# KiCad board Sentinel 65X - Prototype 4.kicad_pcb
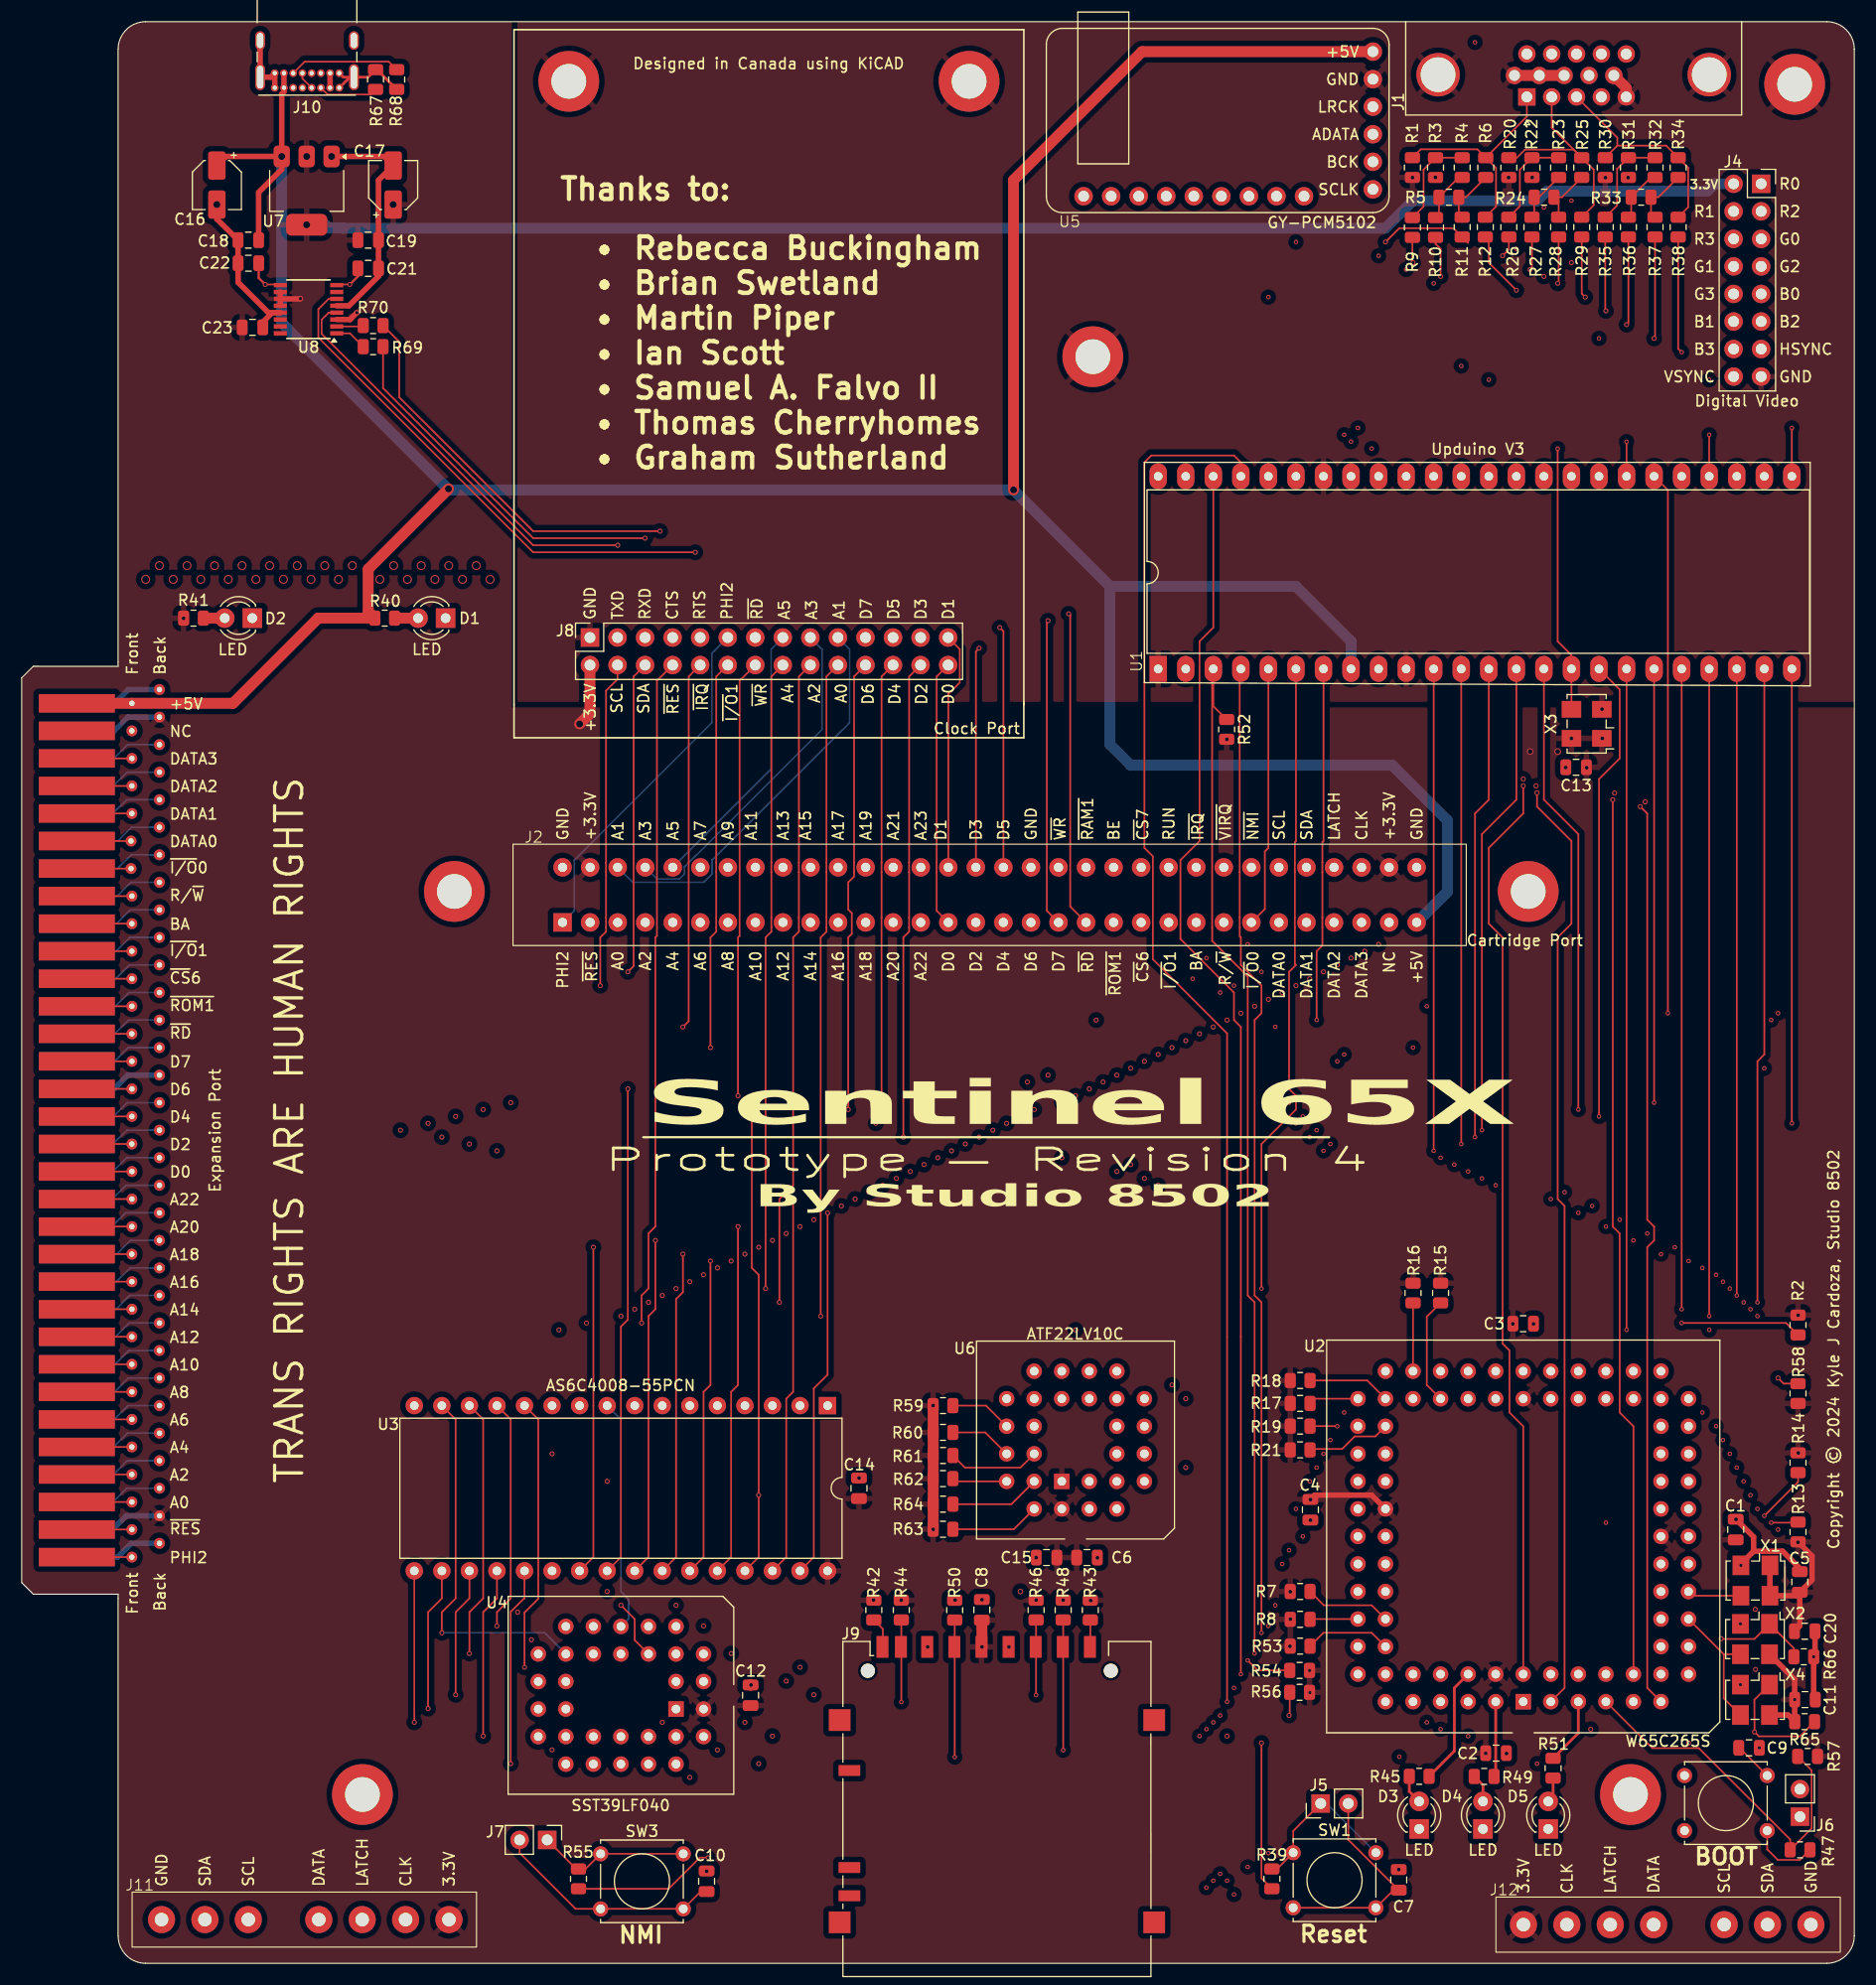
[diagram p0: board, top side]
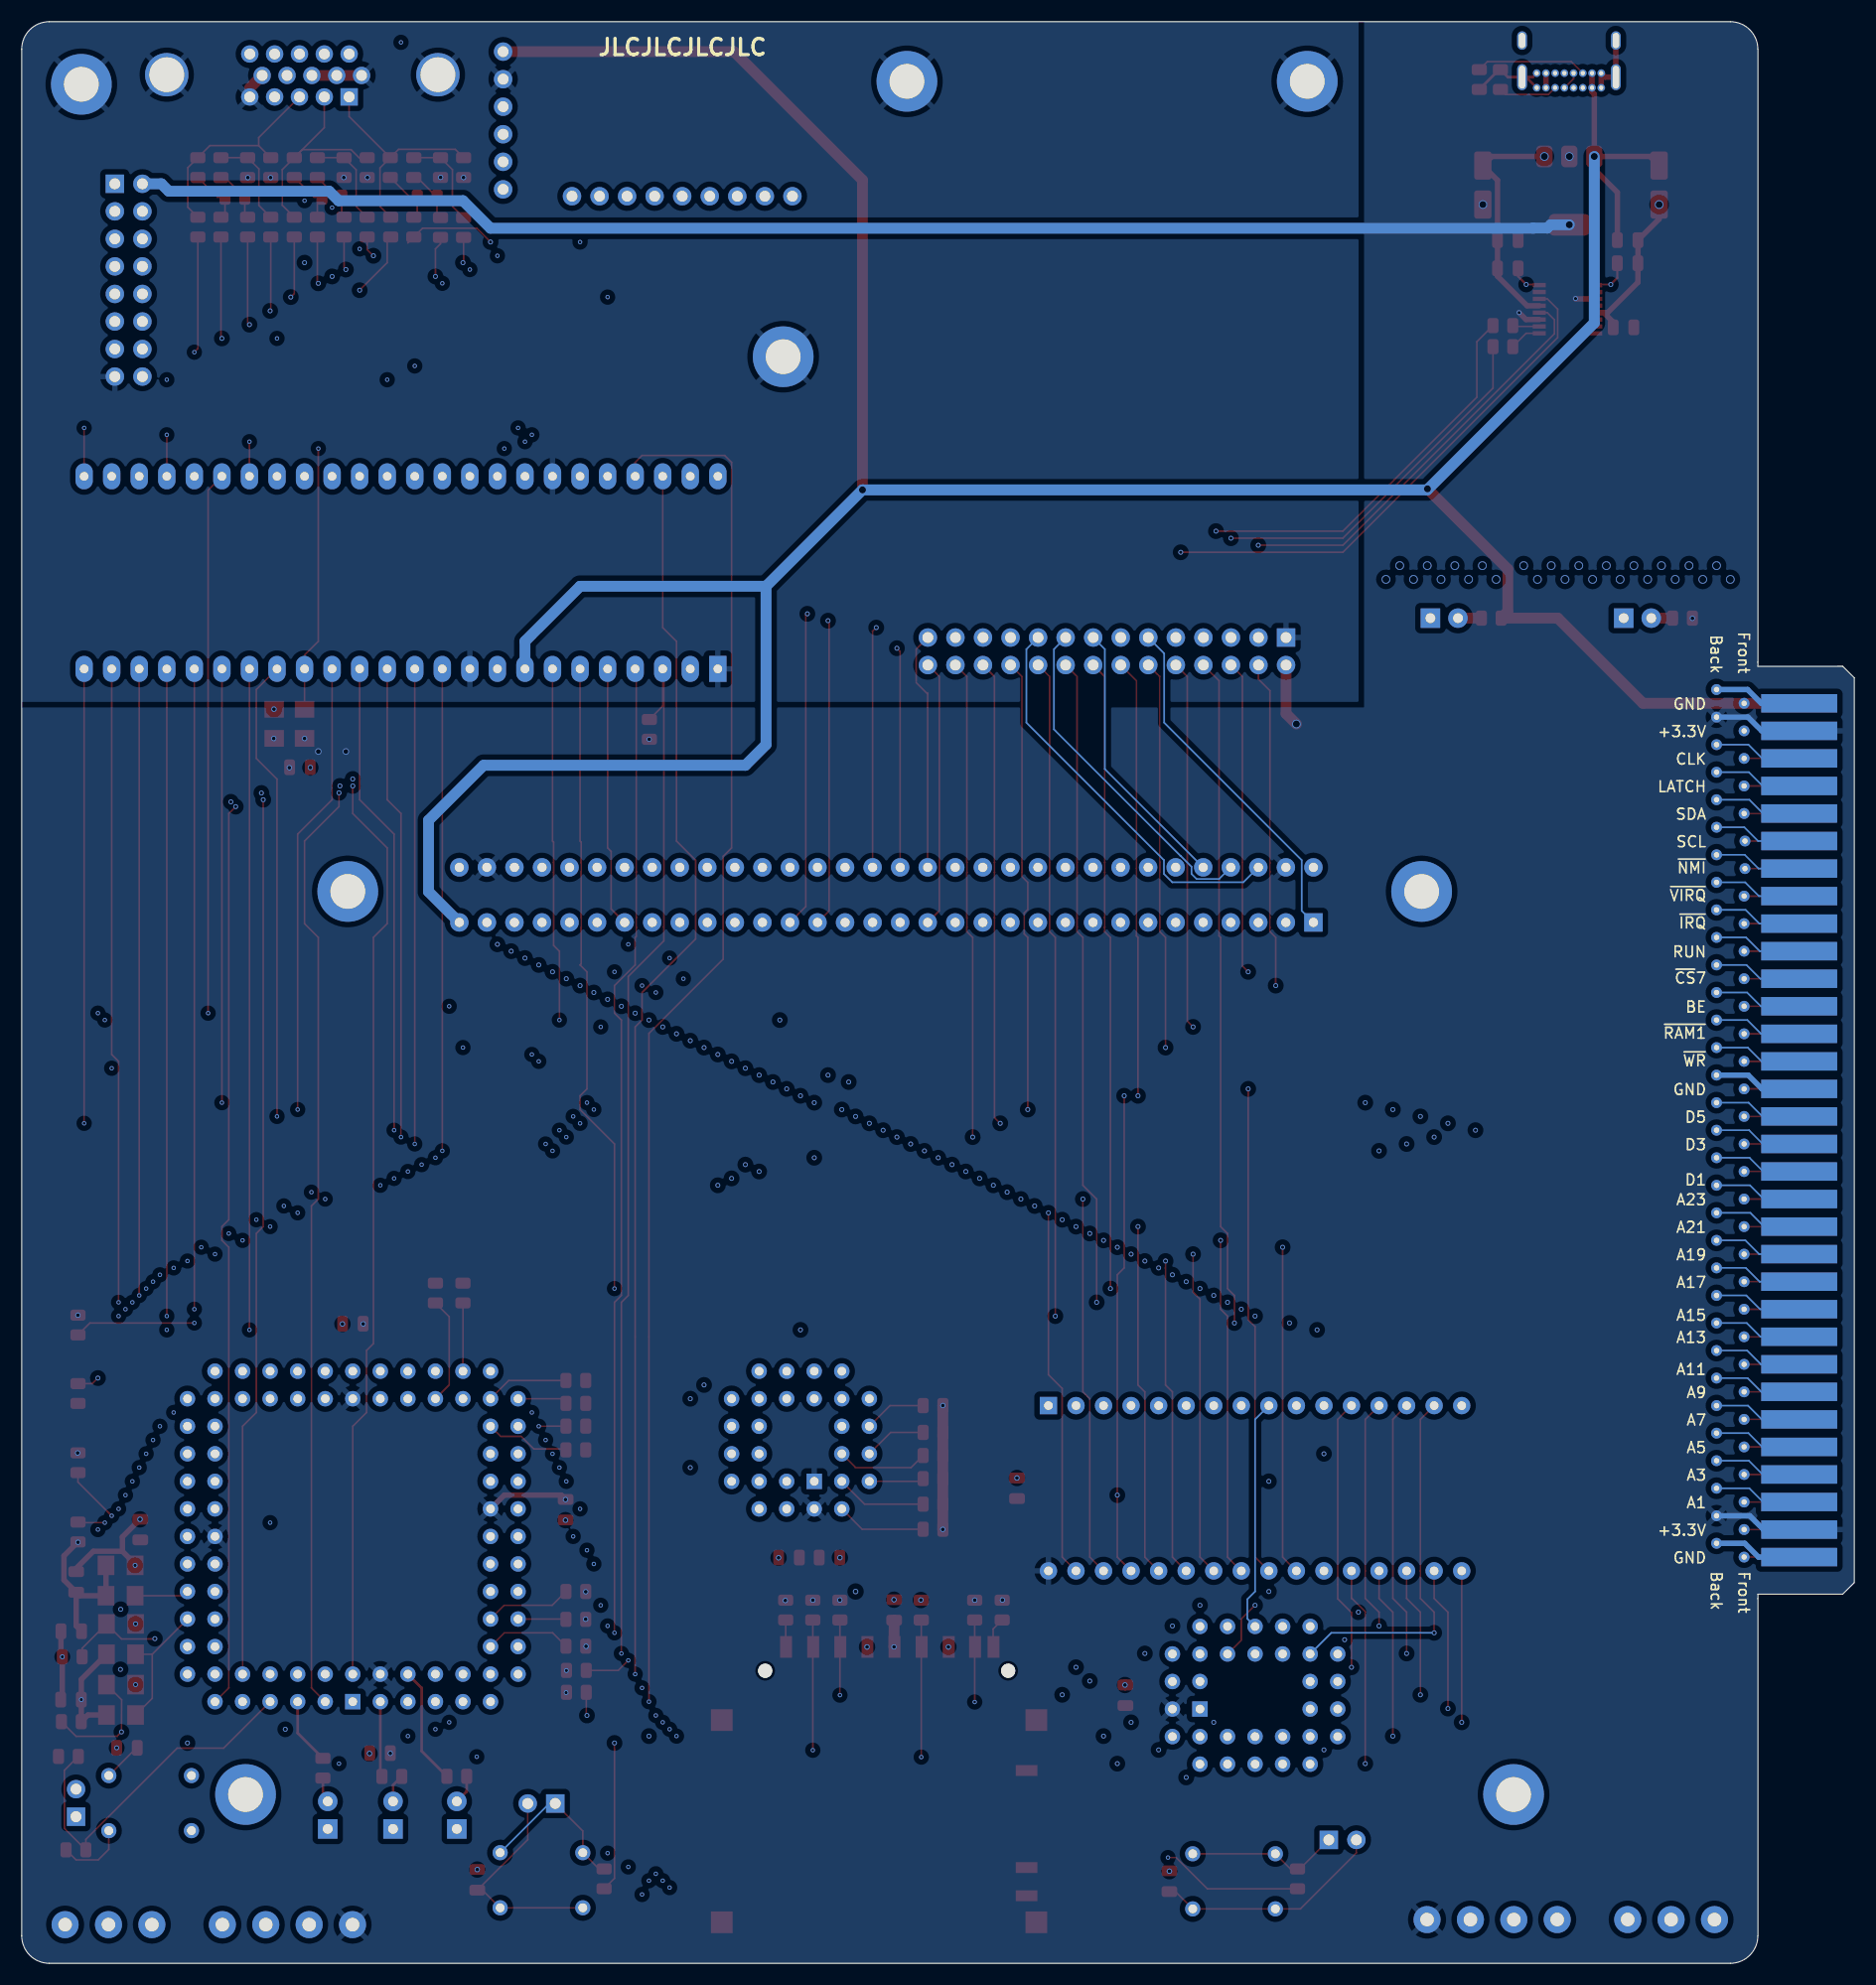
[diagram p1: board, bottom side, seen from below]

Outline 168.95 x 179.07 mm; copper layers: F.Cu (SMD), In1.Cu (GND) (plane), In2.Cu (N-S), In3.Cu. (E-W), In4.Cu (GND) (plane), B.Cu (MISC). Coordinates in mm from the lower left corner of the outline.
Outline path: 8.89,120.02 8.89,176.53 arc(9.63,178.33) 11.43,179.07 166.41,179.07 arc(168.21,178.33) 168.95,176.53 168.95,2.54 arc(168.21,0.74) 166.41,0 11.43,0 arc(9.63,0.74) 8.89,2.54 8.89,33.66
Stack: F.Cu (SMD) 0.035mm / dielectric 0.1mm FR4 er 4.5 / In1.Cu (GND) 0.035mm / dielectric 0.535mm FR4 er 4.5 / In2.Cu (N-S) 0.035mm / dielectric 0.1mm FR4 er 4.5 / In3.Cu. (E-W) 0.035mm / dielectric 0.535mm FR4 er 4.5 / In4.Cu (GND) 0.035mm / dielectric 0.1mm FR4 er 4.5 / B.Cu (MISC) 0.035mm

## Placement (name value [footprint] x y rotation side)
C1  100nF  [C_0805_2012Metric]  158.02 40 90 top
C2  100nF  [C_0805_2012Metric]  135.92 19.38 0 top
C3  100nF  [C_0805_2012Metric]  138.42 58.99 0 top
C4  100nF  [C_0805_2012Metric]  118.81 41.83 270 top
C5  100nF  [C_0805_2012Metric]  163.93 35.17 90 top
C6  100nF  [C_0805_2012Metric]  98.21 37.42 0 top
C7  100nF  [C_0805_2012Metric]  126.95 7.7 90 top
C8  4.7µF  [C_0805_2012Metric]  88.52 32.6 90 top
C9  100nF  [C_0805_2012Metric]  159.25 19.87 0 top
C10  100nF  [C_0805_2012Metric]  63.14 7.57 90 top
C11  100nF  [C_0805_2012Metric]  164.41 24.32 0 top
C12  100nF  [C_0805_2012Metric]  67.2 24.72 90 top
C13  100nF  [C_0805_2012Metric]  143.3 110.31 180 top
C14  100nF  [C_0805_2012Metric]  77.19 43.81 90 top
C15  100nF  [C_0805_2012Metric]  94.48 37.42 180 top
C16  10µF  [CP_Elec_4x5.4]  17.99 164 270 top
C17  10µF  [CP_Elec_4x5.4]  34.24 164 90 top
C18  100nF  [C_0805_2012Metric]  20.89 158.92 180 top
C19  100nF  [C_0805_2012Metric]  31.94 158.92 0 top
C20  100nF  [C_0805_2012Metric]  164.38 30.62 0 top
C21  47pF  [C_0805_2012Metric]  31.94 156.32 0 top
C22  47pF  [C_0805_2012Metric]  20.9 156.79 180 top
C23  100nF  [C_0805_2012Metric]  21.28 150.88 0 top
D1  LED  [LED_D3.0mm]  39.08 124.06 180 top
D2  LED  [LED_D3.0mm]  21.26 124.06 180 top
D3  LED  [LED_D3.0mm]  128.84 12.39 90 top
D4  LED  [LED_D3.0mm]  134.72 12.39 90 top
D5  LED  [LED_D3.0mm]  140.74 12.39 90 top
H1  MountingHole_Pad  [MountingHole_3.2mm_M3_DIN965_Pad]  98.75 148.17 0 top
H3  MountingHole_Pad  [MountingHole_3.2mm_M3_DIN965_Pad]  31.41 15.57 0 top
H4  MountingHole_Pad  [MountingHole_3.2mm_M3_DIN965_Pad]  39.89 98.86 0 top
H5  MountingHole_Pad  [MountingHole_3.2mm_M3_DIN965_Pad]  148.32 15.57 0 top
H6  MountingHole_Pad  [MountingHole_3.2mm_M3_DIN965_Pad]  50.44 173.57 0 top
H7  MountingHole_Pad  [MountingHole_3.2mm_M3_DIN965_Pad]  163.45 173.3 0 top
H8  MountingHole_Pad  [MountingHole_3.2mm_M3_DIN965_Pad]  138.89 98.86 0 top
H9  MountingHole_Pad  [MountingHole_3.2mm_M3_DIN965_Pad]  87.34 173.57 0 top
J1  SVGA Connector  [DSUB-15-HD_Female_Horizontal_P2.29x1.98mm_EdgePinOffset3.03mm_Housed_MountingHolesOffset4.94mm]  138.76 172.13 180 top
J2  2x32 2.54mm Card Edge Connector  [Conn_Edge_2x32p_THT_2.54mm_5.08mm]  89.11 98.54 0 top
J3  2x32 2.54mm Card Edge Connector  [Conn_Edge_2x32_THT_2.54mm_Male]  5.08 75.56 90 top
J4  Conn_02x08_Odd_Even  [PinSocket_2x08_P2.54mm_Vertical]  160.36 164.12 0 top
J5  Conn_01x02  [PinHeader_1x02_P2.54mm_Vertical]  119.76 14.74 90 top
J6  Conn_01x02  [PinHeader_1x02_P2.54mm_Vertical]  163.94 13.52 180 top
J7  Conn_01x02  [PinHeader_1x02_P2.54mm_Vertical]  48.45 11.38 270 top
J8  Conn_02x14_Odd_Even  [PinSocket_2x14_P2.54mm_Vertical]  52.39 122.27 90 top
J9  DM1AA-SF-PEJ(82)  [SD_Hirose_DM1AA_SF_PEJ82]  89.91 14.23 0 top
J10  USB_C_Receptacle_USB2.0_14P  [USB_C_Receptacle_GCT_USB4085]  29.28 172.98 180 top
J11  Controller 1  [SNES Controller Port (Female, 90º, THT)]  24.15 4.03 180 top
J12  Controller 1  [SNES Controller Port (Female, 90º, THT)]  153.69 3.57 0 top
R1  200Ω  [R_0805_2012Metric]  128.21 165.62 270 top
R2  10KΩ  [R_0805_2012Metric]  163.76 58.87 270 top
R3  800Ω  [R_0805_2012Metric]  130.34 165.62 90 top
R4  400Ω  [R_0805_2012Metric]  132.8 165.62 90 top
R5  400Ω  [R_0805_2012Metric]  131.57 162.88 180 top
R6  400Ω  [R_0805_2012Metric]  134.97 165.62 270 top
R7  10KΩ  [R_0805_2012Metric]  117.86 34.29 0 top
R8  10KΩ  [R_0805_2012Metric]  117.86 31.72 0 top
R9  800Ω  [R_0805_2012Metric]  128.21 160.09 270 top
R10  800Ω  [R_0805_2012Metric]  130.34 160.09 270 top
R11  800Ω  [R_0805_2012Metric]  132.8 160.12 270 top
R12  800Ω  [R_0805_2012Metric]  134.93 160.12 270 top
R13  10KΩ  [R_0805_2012Metric]  163.76 39.78 270 top
R14  10KΩ  [R_0805_2012Metric]  163.76 46.17 270 top
R15  10KΩ  [R_0805_2012Metric]  130.81 61.82 90 top
R16  10KΩ  [R_0805_2012Metric]  128.27 61.82 90 top
R17  10KΩ  [R_0805_2012Metric]  117.86 51.64 180 top
R18  10KΩ  [R_0805_2012Metric]  117.86 53.75 180 top
R19  10KΩ  [R_0805_2012Metric]  117.86 49.54 180 top
R20  200Ω  [R_0805_2012Metric]  137.1 165.62 270 top
R21  10KΩ  [R_0805_2012Metric]  117.86 47.35 180 top
R22  800Ω  [R_0805_2012Metric]  139.23 165.62 90 top
R23  400Ω  [R_0805_2012Metric]  141.69 165.62 90 top
R24  400Ω  [R_0805_2012Metric]  140.35 162.89 180 top
R25  400Ω  [R_0805_2012Metric]  143.82 165.62 270 top
R26  800Ω  [R_0805_2012Metric]  137.1 160.12 270 top
R27  800Ω  [R_0805_2012Metric]  139.23 160.12 270 top
R28  800Ω  [R_0805_2012Metric]  141.69 160.12 270 top
R29  800Ω  [R_0805_2012Metric]  143.82 160.12 270 top
R30  200Ω  [R_0805_2012Metric]  145.99 165.62 270 top
R31  800Ω  [R_0805_2012Metric]  148.12 165.62 90 top
R32  400Ω  [R_0805_2012Metric]  150.58 165.62 90 top
R33  400Ω  [R_0805_2012Metric]  149.3 162.89 180 top
R34  400Ω  [R_0805_2012Metric]  152.71 165.62 270 top
R35  800Ω  [R_0805_2012Metric]  145.99 160.12 270 top
R36  800Ω  [R_0805_2012Metric]  148.12 160.12 270 top
R37  800Ω  [R_0805_2012Metric]  150.58 160.12 270 top
R38  800Ω  [R_0805_2012Metric]  152.71 160.12 270 top
R39  1KΩ  [R_0805_2012Metric]  115.26 7.79 270 top
R40  2KΩ  [R_0805_2012Metric]  33.47 124.06 0 top
R41  1KΩ  [R_0805_2012Metric]  15.84 124.06 0 top
R42  47KΩ  [R_0805_2012Metric]  78.56 32.58 90 top
R43  47KΩ  [R_0805_2012Metric]  98.52 32.58 90 top
R44  47KΩ  [R_0805_2012Metric]  81.09 32.58 90 top
R45  1KΩ  [R_0805_2012Metric]  128.84 17.25 180 top
R46  47KΩ  [R_0805_2012Metric]  93.52 32.58 90 top
R47  1KΩ  [R_0805_2012Metric]  163.95 10.46 180 top
R48  47KΩ  [R_0805_2012Metric]  96.02 32.58 90 top
R49  1KΩ  [R_0805_2012Metric]  134.83 17.23 180 top
R50  47KΩ  [R_0805_2012Metric]  86.02 32.57 90 top
R51  1KΩ  [R_0805_2012Metric]  141.18 18 270 top
R52  10KΩ  [R_0805_2012Metric]  111.09 113.8 270 top
R53  10KΩ  [R_0805_2012Metric]  117.86 29.25 180 top
R54  10KΩ  [R_0805_2012Metric]  117.82 27.01 0 top
R55  1KΩ  [R_0805_2012Metric]  51.33 7.79 270 top
R56  10KΩ  [R_0805_2012Metric]  117.82 24.99 0 top
R57  10KΩ  [R_0805_2012Metric]  164.65 19.08 0 top
R58  10KΩ  [R_0805_2012Metric]  163.76 52.55 270 top
R59  10KΩ  [R_0805_2012Metric]  84.94 51.44 180 top
R60  10KΩ  [R_0805_2012Metric]  84.94 48.96 180 top
R61  10KΩ  [R_0805_2012Metric]  84.94 46.83 180 top
R62  10KΩ  [R_0805_2012Metric]  84.94 44.7 180 top
R63  10KΩ  [R_0805_2012Metric]  84.94 40.03 180 top
R64  10KΩ  [R_0805_2012Metric]  84.94 42.35 180 top
R65  10KΩ  [R_0805_2012Metric]  164.38 22.29 180 top
R66  10KΩ  [R_0805_2012Metric]  164.3 28.27 0 top
R67  5.1KΩ  [R_0805_2012Metric]  32.62 173.73 90 top
R68  5.1KΩ  [R_0805_2012Metric]  34.57 173.73 270 top
R69  270Ω  [R_0805_2012Metric]  32.4 149.1 0 top
R70  270Ω  [R_0805_2012Metric]  32.4 151.04 0 top
SW1  SW_Push  [SW_Tactile_Straight_KSA0Axx1LFTR]  117.22 10.2 0 top
SW2  SW_Push  [SW_Tactile_Straight_KSA0Axx1LFTR]  160.92 12.24 180 top
SW3  SW_Push  [SW_Tactile_Straight_KSA0Axx1LFTR]  53.37 10.1 0 top
U1  Upduino_VERA  [DIP-48_W17.76mm_Socket_LongPads]  104.77 119.38 90 top
U2  W65C265S8PLG-8  [PLCC-84_THT-Socket]  138.43 24.13 180 top
U3  AS6C4008-55PCN  [DIP-32_W15.24mm]  74.3 51.44 270 top
U4  SST39LF040-55-4C-NHE-T  [PLCC-32_THT-Socket]  60.33 23.45 270 top
U5  -  [GY-PCM5102]  122.33 157.5 180 top
U6  ATF22LV10C-10JU  [PLCC-28_THT-Socket]  95.89 44.45 180 top
U7  NCP1117-3.3_SOT223  [SOT-223-3_TabPin2]  26.27 163.49 270 top
U8  FT230XS  [SSOP-16_3.9x4.9mm_P0.635mm]  26.44 152.55 180 top
X1  ECS-327MVATX-5-CN-TR  [Oscillator_SMD_EuroQuartz_XO53-4Pin_5.0x3.2mm_HandSoldering]  159.84 35.3 180 top
X2  KC5032K8.00000C1GE00  [Oscillator_SMD_EuroQuartz_XO53-4Pin_5.0x3.2mm_HandSoldering]  159.79 29.9 180 top
X3  ECS-3963-250-BN-TR  [Oscillator_SMD_EuroQuartz_XO53-4Pin_5.0x3.2mm_HandSoldering]  144.27 114.31 90 top
X4  ECS-5032MV-40-CN-TR  [Oscillator_SMD_EuroQuartz_XO53-4Pin_5.0x3.2mm_HandSoldering]  159.79 24.3 180 top

## Library data of the parts
C1-C15 C18-C20 = -: ki_fp_filters: C_*
C16 C17 = -: Description: Polarized capacitor; ki_fp_filters: CP_*
C21-C23 = -: Description: Unpolarized capacitor; ki_fp_filters: C_*
D1-D5 = -: ki_fp_filters: LED* LED_SMD:* LED_THT:*
H1 H3-H9 = -: ki_fp_filters: MountingHole*Pad*
J1 = -: ki_fp_filters: DSUB*Female*
J2-J4 J8 = -: ki_fp_filters: Connector*:*_2x??_*
J5-J7 J11 J12 = -: ki_fp_filters: Connector*:*_1x??_*
J9 = -: Datasheet: http://portal.fciconnect.com/Comergent//fci/drawing/10067847.pdf; ki_fp_filters: SD*
J10 = -: Datasheet: https://www.usb.org/sites/default/files/documents/usb_type-c.zip; Description: USB 2.0-only 14P Type-C Receptacle connector; ki_fp_filters: USB*C*Receptacle*
R1-R68 = -: ki_fp_filters: R_*
R69 R70 = -: Description: Resistor; ki_fp_filters: R_*
U2 = -: Datasheet: https://www.westerndesigncenter.com/wdc/documentation/w65c265s.pdf
U3 = -: Datasheet: https://www.alliancememory.com/wp-content/uploads/pdf/AS6C4008.pdf; ki_fp_filters: DIP*W15.24mm*
U4 = -: Datasheet: https://ww1.microchip.com/downloads/aemDocuments/documents/OTH/ProductDocuments/DataSheets/20005023B.pdf
U6 = -: Datasheet: https://ww1.microchip.com/downloads/en/DeviceDoc/doc0780.pdf
U7 = -: Datasheet: http://www.onsemi.com/pub_link/Collateral/NCP1117-D.PDF; Description: 1A Low drop-out regulator, Fixed Output 3.3V, SOT-223; ki_fp_filters: SOT?223*TabPin2*
U8 = -: Datasheet: https://www.ftdichip.com/Support/Documents/DataSheets/ICs/DS_FT230X.pdf; Description: Full Speed USB to Basic UART, SSOP-16; ki_fp_filters: SSOP*3.9x4.9*P0.635mm*
X1-X4 = -: Datasheet: http://cdn-reichelt.de/documents/datenblatt/B400/XO53.pdf; ki_fp_filters: Oscillator*SMD*EuroQuartz*XO53*5.0x3.2mm*

## Footprints (pads in the part's own frame, mm; a bottom-side part is the same pattern mirrored in y, then rotated)
C_0805_2012Metric
  rrect 1x1.45 smd: 1(-0.95,0) 2(0.95,0)
Conn_Edge_2x32_THT_2.54mm_Male
  rect 1.7x7 smd far side: a1(-38.1,0) a2(-35.56,0) a3(-33.02,0) a4(-30.48,0) a5(-27.94,0) a6(-25.4,0) a7(-22.86,0) a8(-20.32,0) a9(-17.78,0) a10(-15.24,0) a11(-12.7,0) a12(-10.16,0) a13(-7.62,0) a14(-5.08,0) a15(-2.54,0) a16(0,0) a17(2.54,0) a18(5.08,0) a19(7.62,0) a20(10.16,0) a21(12.7,0) a22(15.24,0) a23(17.78,0) a24(20.32,0) a25(22.86,0) a26(25.4,0) a27(27.94,0) a28(30.48,0) a29(33.02,0) a30(35.56,0) a31(38.1,0) a32(40.64,0)
  round 1 hole 0.5: a1(-36.83,-7.62) a2(-34.29,-7.62) a3(-31.75,-7.62) a4(-29.21,-7.62) a5(-26.67,-7.62) a6(-24.13,-7.62) a7(-21.59,-7.62) a8(-19.05,-7.62) a9(-16.51,-7.62) a10(-13.97,-7.62) a11(-11.43,-7.62) a12(-8.89,-7.62) a13(-6.35,-7.62) a14(-3.81,-7.62) a15(-1.27,-7.62) a16(1.27,-7.62) a17(3.81,-7.62) a18(6.35,-7.62) a19(8.89,-7.62) a20(11.43,-7.62) a21(13.97,-7.62) a22(16.51,-7.62) a23(19.05,-7.62) a24(21.59,-7.62) a25(24.13,-7.62) a26(26.67,-7.62) a27(29.21,-7.62) a28(31.75,-7.62) a29(34.29,-7.62) a30(36.83,-7.62) a31(39.37,-7.62) a32(41.91,-7.62) b1(-38.1,-5.08) b2(-35.56,-5.08) b3(-33.02,-5.08) b4(-30.48,-5.08) b5(-27.94,-5.08) b6(-25.4,-5.08) b7(-22.86,-5.08) b8(-20.32,-5.08) b9(-17.78,-5.08) b10(-15.24,-5.08) b11(-12.7,-5.08) b12(-10.16,-5.08) b13(-7.62,-5.08) b14(-5.08,-5.08) b15(-2.54,-5.08) b16(0,-5.08) b17(2.54,-5.08) b18(5.08,-5.08) b19(7.62,-5.08) b20(10.16,-5.08) b21(12.7,-5.08) b22(15.24,-5.08) b23(17.78,-5.08) b24(20.32,-5.08) b25(22.86,-5.08) b26(25.4,-5) b27(27.94,-5) b28(30.48,-5.08) b29(33.02,-5.08) b30(35.56,-5.08) b31(38.1,-5.08) b32(40.64,-5.08)
  rect 1.7x7 smd: b1(-38.1,0) b2(-35.56,0) b3(-33.02,0) b4(-30.48,0) b5(-27.94,0) b6(-25.4,0) b7(-22.86,0) b8(-20.32,0) b9(-17.78,0) b10(-15.24,0) b11(-12.7,0) b12(-10.16,0) b13(-7.62,0) b14(-5.08,0) b15(-2.54,0) b16(0,0) b17(2.54,0) b18(5.08,0) b19(7.62,0) b20(10.16,0) b21(12.7,0) b22(15.24,0) b23(17.78,0) b24(20.32,0) b25(22.86,0) b26(25.4,0) b27(27.94,0) b28(30.48,0) b29(33.02,0) b30(35.56,0) b31(38.1,0) b32(40.64,0)
Conn_Edge_2x32p_THT_2.54mm_5.08mm
  round 1.7 hole 0.85: a1(-39.245,2.54) a2(-36.705,2.54) a3(-34.165,2.54) a4(-31.625,2.54) a5(-29.085,2.54) a6(-26.545,2.54) a7(-24.005,2.54) a8(-21.465,2.54) a9(-18.925,2.54) a10(-16.385,2.54) a11(-13.845,2.54) a12(-11.305,2.54) a13(-8.765,2.54) a14(-6.225,2.54) a15(-3.685,2.54) a16(-1.145,2.54) a17(1.395,2.54) a18(3.935,2.54) a19(6.475,2.54) a20(9.015,2.54) a21(11.555,2.54) a22(14.095,2.54) a23(16.635,2.54) a24(19.175,2.54) a25(21.715,2.54) a26(24.255,2.54) a27(26.795,2.54) a28(29.335,2.54) a29(31.875,2.54) a30(34.415,2.54) a31(36.955,2.54) a32(39.495,2.54) b2(-36.705,-2.54) b3(-34.165,-2.54) b4(-31.625,-2.54) b5(-29.085,-2.54) b6(-26.545,-2.54) b7(-24.005,-2.54) b8(-21.465,-2.54) b9(-18.925,-2.54) b10(-16.385,-2.54) b11(-13.845,-2.54) b12(-11.305,-2.54) b13(-8.765,-2.54) b14(-6.225,-2.54) b15(-3.685,-2.54) b16(-1.145,-2.54) b17(1.395,-2.54) b18(3.935,-2.54) b19(6.475,-2.54) b20(9.015,-2.54) b21(11.555,-2.54) b22(14.095,-2.54) b23(16.635,-2.54) b24(19.175,-2.54) b25(21.715,-2.54) b26(24.255,-2.54) b27(26.795,-2.54) b28(29.335,-2.54) b29(31.875,-2.54) b30(34.415,-2.54) b31(36.955,-2.54) b32(39.495,-2.54)
  rect 1.7x1.7 hole 0.85: b1(-39.245,-2.54)
CP_Elec_4x5.4
  rrect 2.6x1.6 smd: 1(-1.8,0) 2(1.8,0)
DIP-32_W15.24mm
  rect 1.6x1.6 hole 0.8: 1(0,0)
  oval 1.6x1.6 hole 0.8: 2(0,-2.54) 3(0,-5.08) 4(0,-7.62) 5(0,-10.16) 6(0,-12.7) 7(0,-15.24) 8(0,-17.78) 9(0,-20.32) 10(0,-22.86) 11(0,-25.4) 12(0,-27.94) 13(0,-30.48) 14(0,-33.02) 15(0,-35.56) 16(0,-38.1) 17(15.24,-38.1) 18(15.24,-35.56) 19(15.24,-33.02) 20(15.24,-30.48) 21(15.24,-27.94) 22(15.24,-25.4) 23(15.24,-22.86) 24(15.24,-20.32) 25(15.24,-17.78) 26(15.24,-15.24) 27(15.24,-12.7) 28(15.24,-10.16) 29(15.24,-7.62) 30(15.24,-5.08) 31(15.24,-2.54) 32(15.24,0)
DIP-48_W17.76mm_Socket_LongPads
  rect 2.4x1.6 hole 0.8: 1(0,0)
  oval 2.4x1.6 hole 0.8: 2(0,-2.54) 3(0,-5.08) 4(0,-7.62) 5(0,-10.16) 6(0,-12.7) 7(0,-15.24) 8(0,-17.78) 9(0,-20.32) 10(0,-22.86) 11(0,-25.4) 12(0,-27.94) 13(0,-30.48) 14(0,-33.02) 15(0,-35.56) 16(0,-38.1) 17(0,-40.64) 18(0,-43.18) 19(0,-45.72) 20(0,-48.26) 21(0,-50.8) 22(0,-53.34) 23(0,-55.88) 24(0,-58.42) 25(17.76,-58.42) 26(17.76,-55.88) 27(17.76,-53.34) 28(17.76,-50.8) 29(17.76,-48.26) 30(17.76,-45.72) 31(17.76,-43.18) 32(17.76,-40.64) 33(17.76,-38.1) 34(17.76,-35.56) 35(17.76,-33.02) 36(17.76,-30.48) 37(17.76,-27.94) 38(17.76,-25.4) 39(17.76,-22.86) 40(17.76,-20.32) 41(17.76,-17.78) 42(17.76,-15.24) 43(17.76,-12.7) 44(17.76,-10.16) 45(17.76,-7.62) 46(17.76,-5.08) 47(17.76,-2.54) 48(17.76,0)
DSUB-15-HD_Female_Horizontal_P2.29x1.98mm_EdgePinOffset3.03mm_Housed_MountingHolesOffset4.94mm
  round 4 hole 3.2: 0(-16.815,-2.05) 0(8.185,-2.05)
  rect 1.6x1.6 hole 1: 1(0,0)
  round 1.6 hole 1: 2(-2.29,0) 3(-4.58,0) 4(-6.87,0) 5(-9.16,0) 6(1.145,-1.98) 7(-1.145,-1.98) 8(-3.435,-1.98) 9(-5.725,-1.98) 10(-8.015,-1.98) 11(0,-3.96) 12(-2.29,-3.96) 13(-4.58,-3.96) 14(-6.87,-3.96) 15(-9.16,-3.96)
GY-PCM5102
  round 1.7 hole 1: 1(-2.24,-6.105) 2(-2.24,-8.645) 3(-2.24,-11.185) 4(-2.24,-13.725) 5(-2.24,-16.265) 6(-2.24,-18.805) 7(24.43,-5.47) 8(21.89,-5.47) 9(19.35,-5.47) 10(16.81,-5.47) 11(14.27,-5.47) 12(11.73,-5.47) 13(9.19,-5.47) 14(6.65,-5.47) 15(4.11,-5.47)
LED_D3.0mm
  rect 1.8x1.8 hole 0.9: 1(0,0)
  round 1.8 hole 0.9: 2(2.54,0)
MountingHole_3.2mm_M3_DIN965_Pad
  round 5.6 hole 3.2: 1(0,0)
Oscillator_SMD_EuroQuartz_XO53-4Pin_5.0x3.2mm_HandSoldering
  rect 1.54x1.8 smd: 1(-1.34,-1.4) 2(1.34,-1.4) 3(1.34,1.4) 4(-1.34,1.4)
PinHeader_1x02_P2.54mm_Vertical
  rect 1.7x1.7 hole 1: 1(0,0)
  oval 1.7x1.7 hole 1: 2(0,-2.54)
PinSocket_2x08_P2.54mm_Vertical
  rect 1.7x1.7 hole 1: 1(0,0)
  oval 1.7x1.7 hole 1: 2(-2.54,0) 3(0,-2.54) 4(-2.54,-2.54) 5(0,-5.08) 6(-2.54,-5.08) 7(0,-7.62) 8(-2.54,-7.62) 9(0,-10.16) 10(-2.54,-10.16) 11(0,-12.7) 12(-2.54,-12.7) 13(0,-15.24) 14(-2.54,-15.24) 15(0,-17.78) 16(-2.54,-17.78)
PinSocket_2x14_P2.54mm_Vertical
  rect 1.7x1.7 hole 1: 1(0,0)
  oval 1.7x1.7 hole 1: 2(-2.54,0) 3(0,-2.54) 4(-2.54,-2.54) 5(0,-5.08) 6(-2.54,-5.08) 7(0,-7.62) 8(-2.54,-7.62) 9(0,-10.16) 10(-2.54,-10.16) 11(0,-12.7) 12(-2.54,-12.7) 13(0,-15.24) 14(-2.54,-15.24) 15(0,-17.78) 16(-2.54,-17.78) 17(0,-20.32) 18(-2.54,-20.32) 19(0,-22.86) 20(-2.54,-22.86) 21(0,-25.4) 22(-2.54,-25.4) 23(0,-27.94) 24(-2.54,-27.94) 25(0,-30.48) 26(-2.54,-30.48) 27(0,-33.02) 28(-2.54,-33.02)
PLCC-28_THT-Socket
  rect 1.422x1.422 hole 0.8: 1(0,0)
  round 1.422 hole 0.8: 2(-2.54,2.54) 3(-2.54,0) 4(-5.08,2.54) 5(-7.62,0) 6(-5.08,0) 7(-7.62,-2.54) 8(-5.08,-2.54) 9(-7.62,-5.08) 10(-5.08,-5.08) 11(-7.62,-7.62) 12(-5.08,-10.16) 13(-5.08,-7.62) 14(-2.54,-10.16) 15(-2.54,-7.62) 16(0,-10.16) 17(0,-7.62) 18(2.54,-10.16) 19(5.08,-7.62) 20(2.54,-7.62) 21(5.08,-5.08) 22(2.54,-5.08) 23(5.08,-2.54) 24(2.54,-2.54) 25(5.08,0) 26(2.54,2.54) 27(2.54,0) 28(0,2.54)
PLCC-32_THT-Socket
  rect 1.422x1.422 hole 0.8: 1(0,0)
  round 1.422 hole 0.8: 2(-2.54,2.54) 3(-2.54,0) 4(-5.08,2.54) 5(-7.62,0) 6(-5.08,0) 7(-7.62,-2.54) 8(-5.08,-2.54) 9(-7.62,-5.08) 10(-5.08,-5.08) 11(-7.62,-7.62) 12(-5.08,-7.62) 13(-7.62,-10.16) 14(-5.08,-12.7) 15(-5.08,-10.16) 16(-2.54,-12.7) 17(-2.54,-10.16) 18(0,-12.7) 19(0,-10.16) 20(2.54,-12.7) 21(5.08,-10.16) 22(2.54,-10.16) 23(5.08,-7.62) 24(2.54,-7.62) 25(5.08,-5.08) 26(2.54,-5.08) 27(5.08,-2.54) 28(2.54,-2.54) 29(5.08,0) 30(2.54,2.54) 31(2.54,0) 32(0,2.54)
PLCC-84_THT-Socket
  rect 1.422x1.422 hole 0.8: 1(0,0)
  round 1.422 hole 0.8: 2(0,-2.54) 3(-2.54,0) 4(-2.54,-2.54) 5(-5.08,0) 6(-5.08,-2.54) 7(-7.62,0) 8(-7.62,-2.54) 9(-10.16,0) 10(-10.16,-2.54) 11(-12.7,0) 12(-15.24,-2.54) 13(-12.7,-2.54) 14(-15.24,-5.08) 15(-12.7,-5.08) 16(-15.24,-7.62) 17(-12.7,-7.62) 18(-15.24,-10.16) 19(-12.7,-10.16) 20(-15.24,-12.7) 21(-12.7,-12.7) 22(-15.24,-15.24) 23(-12.7,-15.24) 24(-15.24,-17.78) 25(-12.7,-17.78) 26(-15.24,-20.32) 27(-12.7,-20.32) 28(-15.24,-22.86) 29(-12.7,-22.86) 30(-15.24,-25.4) 31(-12.7,-25.4) 32(-15.24,-27.94) 33(-12.7,-30.48) 34(-12.7,-27.94) 35(-10.16,-30.48) 36(-10.16,-27.94) 37(-7.62,-30.48) 38(-7.62,-27.94) 39(-5.08,-30.48) 40(-5.08,-27.94) 41(-2.54,-30.48) 42(-2.54,-27.94) 43(0,-30.48) 44(0,-27.94) 45(2.54,-30.48) 46(2.54,-27.94) 47(5.08,-30.48) 48(5.08,-27.94) 49(7.62,-30.48) 50(7.62,-27.94) 51(10.16,-30.48) 52(10.16,-27.94) 53(12.7,-30.48) 54(15.24,-27.94) 55(12.7,-27.94) 56(15.24,-25.4) 57(12.7,-25.4) 58(15.24,-22.86) 59(12.7,-22.86) 60(15.24,-20.32) 61(12.7,-20.32) 62(15.24,-17.78) 63(12.7,-17.78) 64(15.24,-15.24) 65(12.7,-15.24) 66(15.24,-12.7) 67(12.7,-12.7) 68(15.24,-10.16) 69(12.7,-10.16) 70(15.24,-7.62) 71(12.7,-7.62) 72(15.24,-5.08) 73(12.7,-5.08) 74(15.24,-2.54) 75(12.7,0) 76(12.7,-2.54) 77(10.16,0) 78(10.16,-2.54) 79(7.62,0) 80(7.62,-2.54) 81(5.08,0) 82(5.08,-2.54) 83(2.54,0) 84(2.54,-2.54)